# KiCad board nodular-base.kicad_pcb
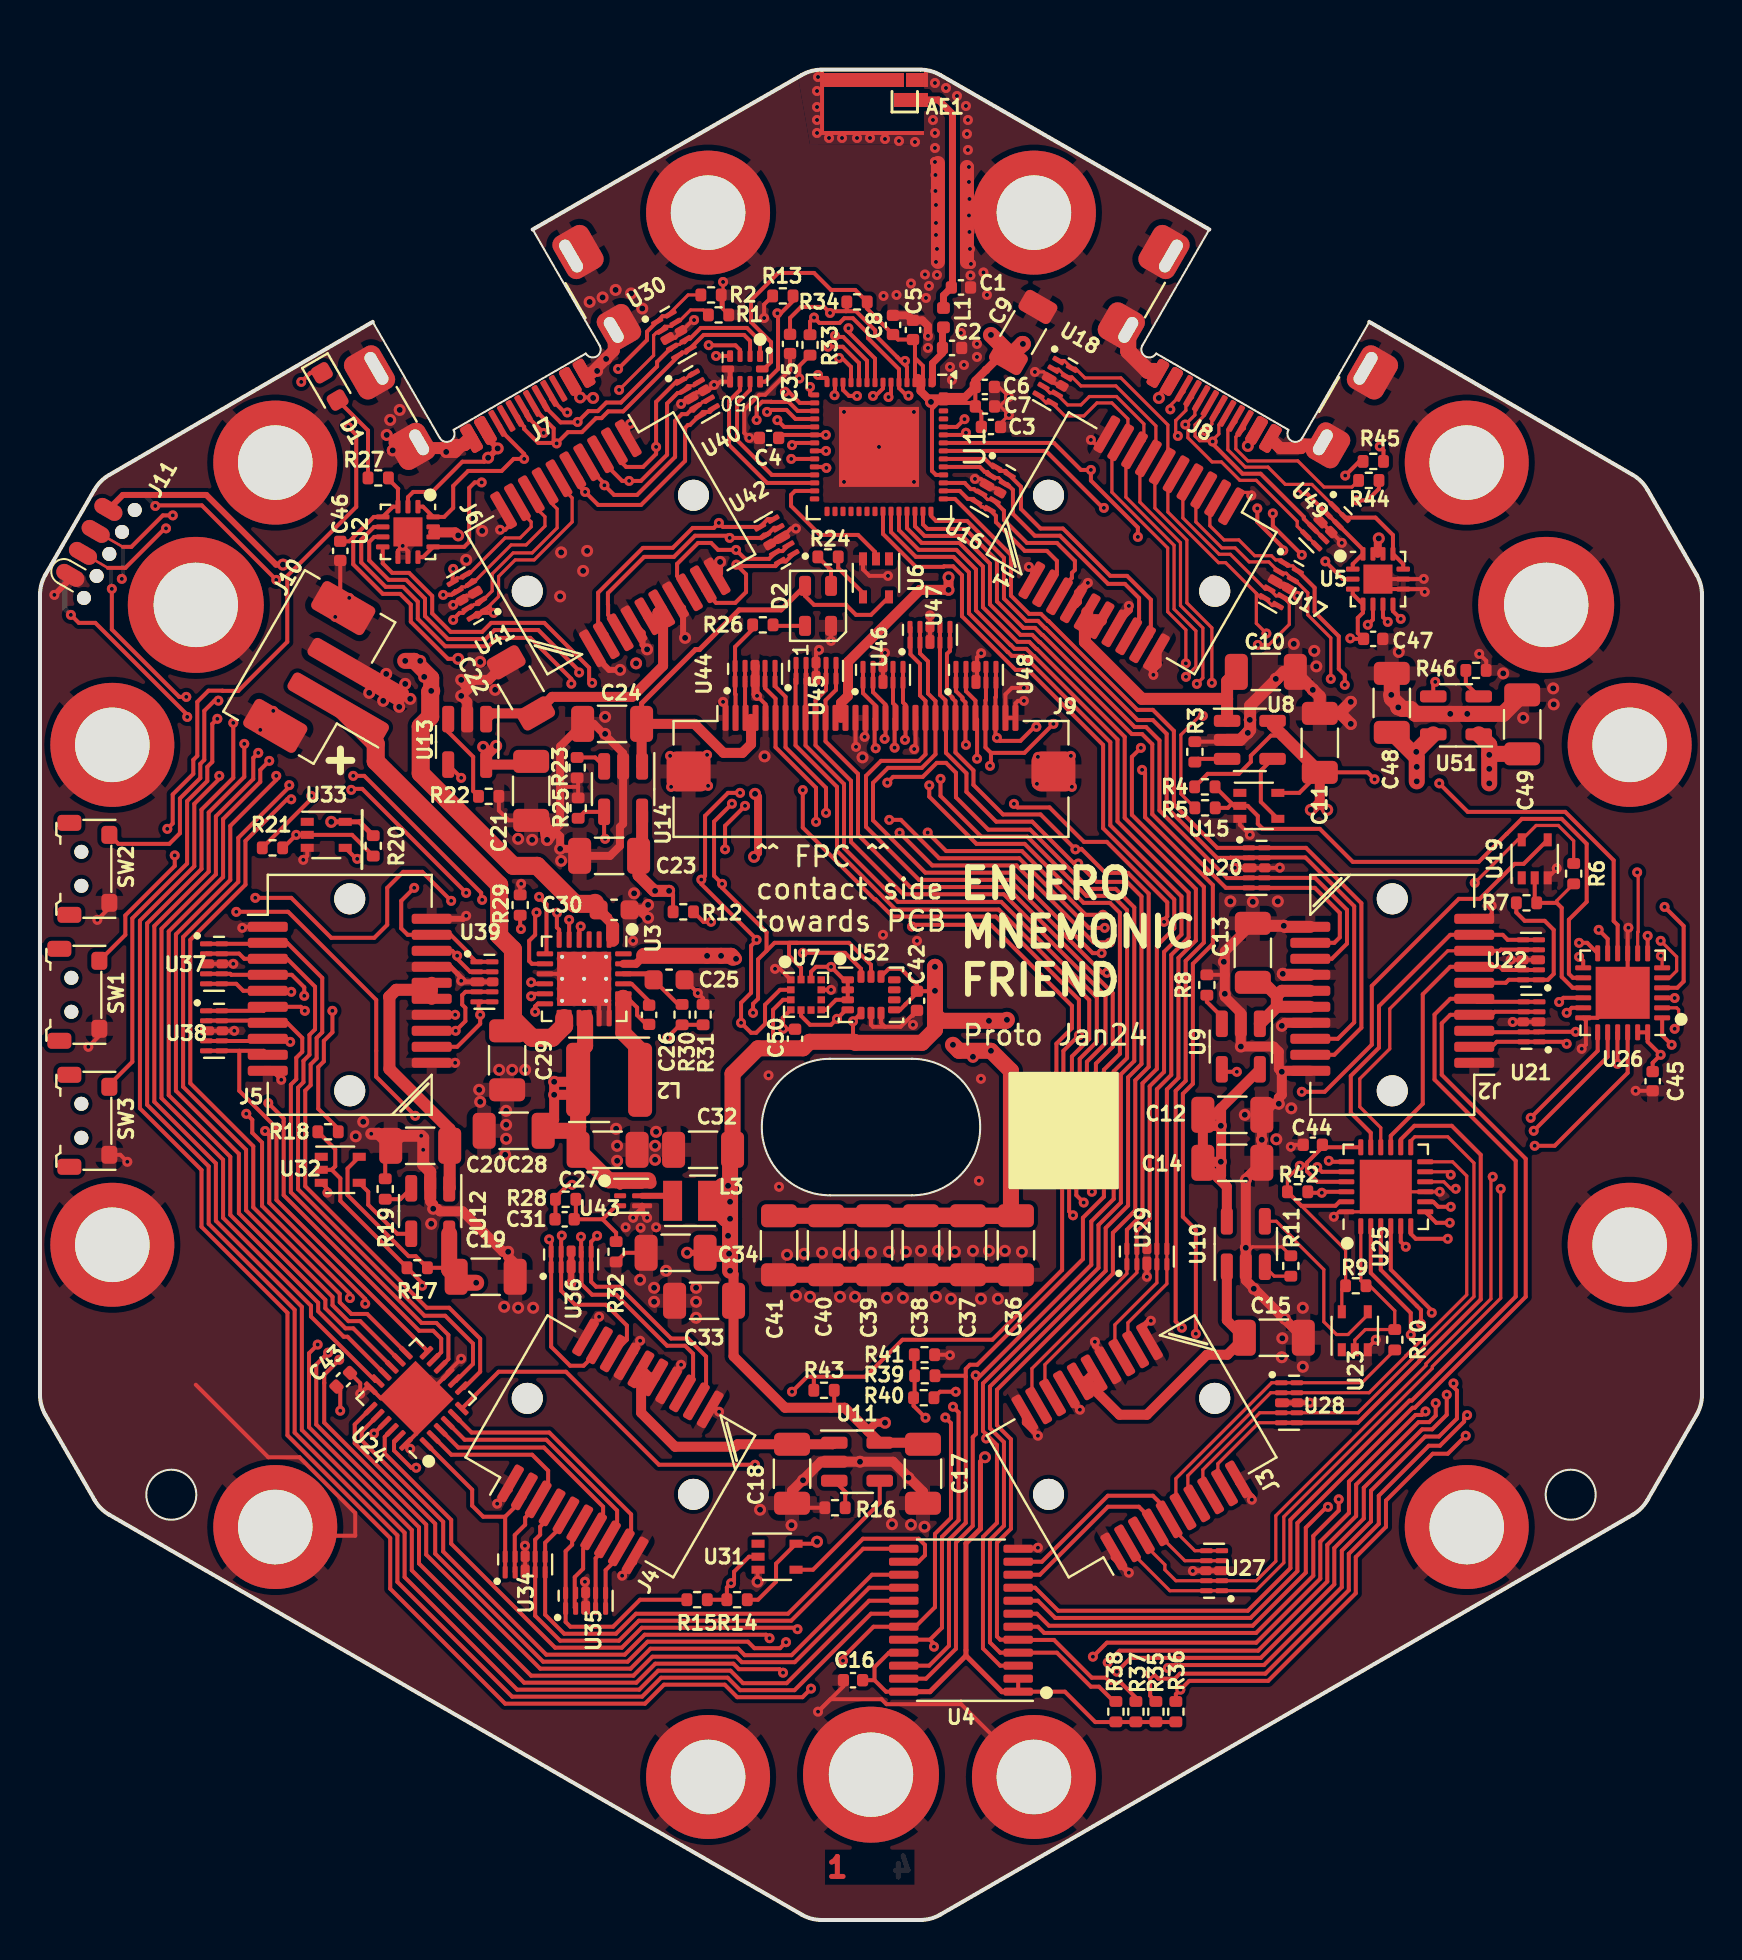
[diagram p0: board, top side]
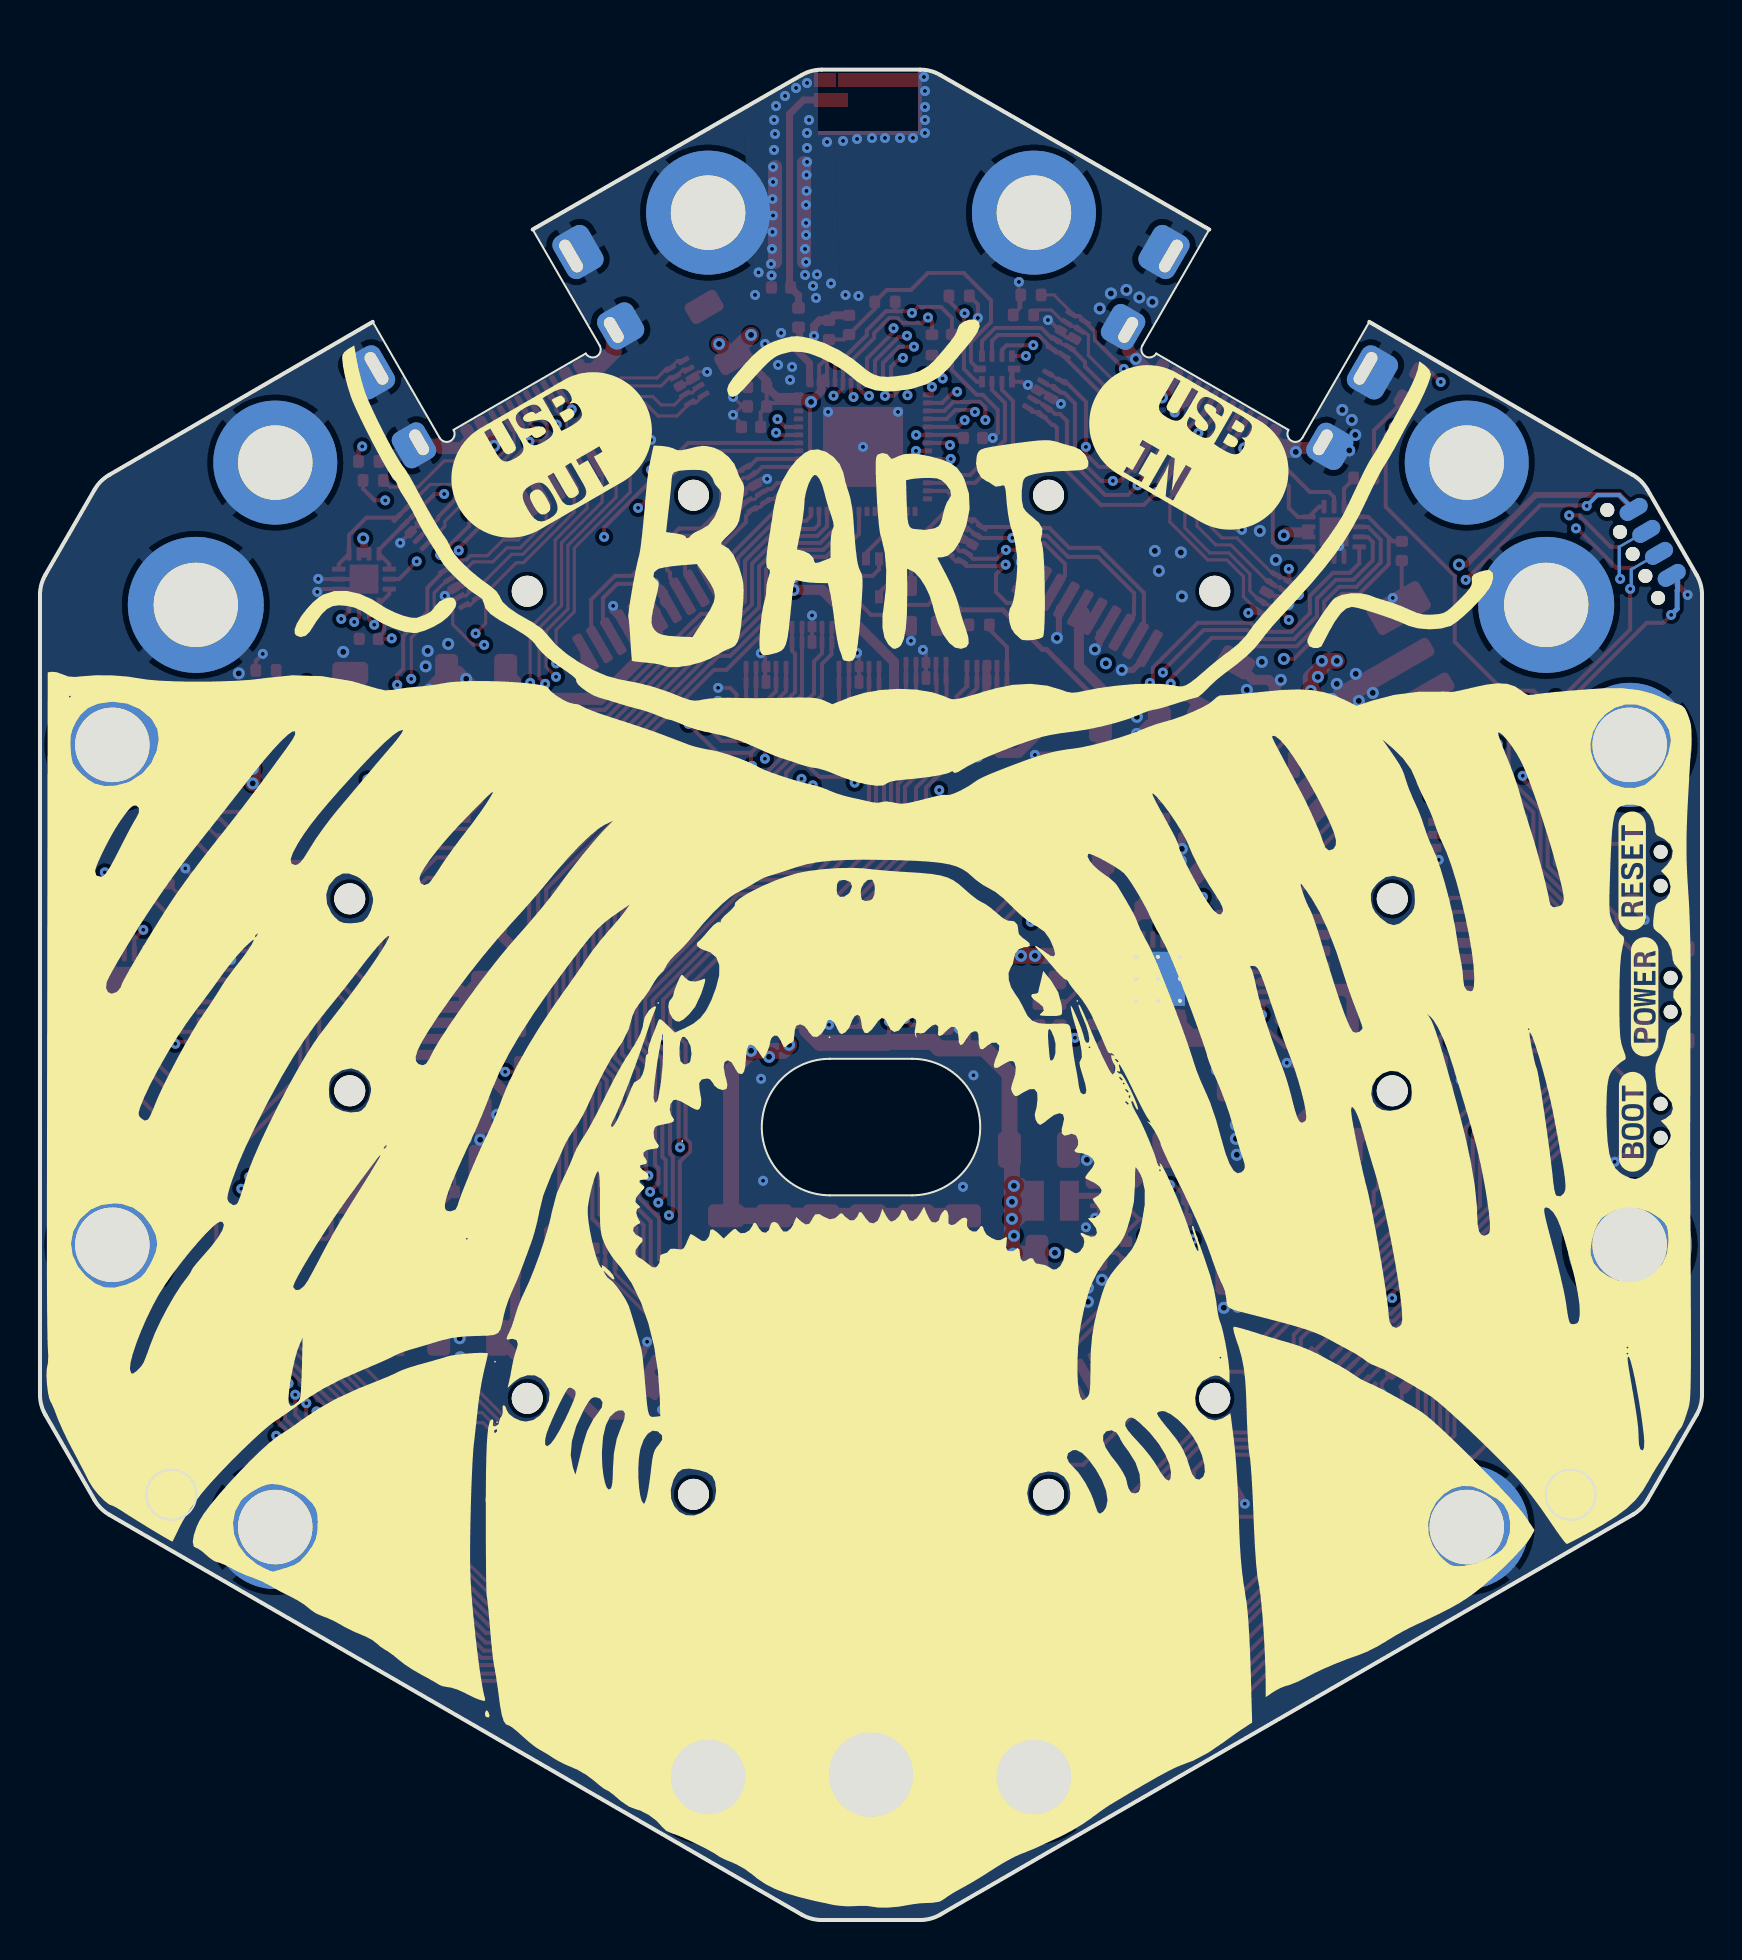
[diagram p1: board, bottom side, seen from below]

Outline 83.14 x 92.54 mm; copper layers: Top, In1.Cu, In2.Cu, Bottom. Coordinates in mm from the lower left corner of the outline.
Outline path: circle c6.57,21.27 r1.25 ; circle c76.57,21.27 r1.25 ; 16.64,79.92 3.46,72.27 arc(3.05,71.95) 2.73,71.54 0.27,67.27 arc(0.07,66.79) 0,66.27 0,26.27 arc(0.07,25.75) 0.27,25.27 2.73,21 arc(3.05,20.59) 3.46,20.27 38.11,0.27 arc(38.59,0.07) 39.11,0 44.03,0 arc(44.55,0.07) 45.03,0.27 79.67,20.27 arc(80.09,20.59) 80.41,21 82.87,25.27 arc(83.07,25.75) 83.14,26.27 83.14,66.27 arc(83.07,66.79) 82.87,67.27 80.41,71.54 arc(80.09,71.95) 79.67,72.27 66.5,79.92 ; 24.65,84.54 38.11,92.27 arc(38.59,92.47) 39.11,92.54 44.03,92.54 arc(44.55,92.47) 45.03,92.27 58.49,84.54 ; 39.52,43.07 43.62,43.07 arc(47.03,39.65) 43.62,36.24 39.52,36.24 arc(36.11,39.65) 39.52,43.07
Stack: Top 0.035mm / dielectric 0.1mm FR4 er 4.5 / In1.Cu 0.035mm / dielectric 1.24mm FR4 er 4.5 / In2.Cu 0.035mm / dielectric 0.1mm FR4 er 4.5 / Bottom 0.035mm

## Placement (name value [footprint] x y rotation side)
AE1  2450AT07A0100  [Johanson_2450AT07A0100_FLRight]  43.27 91.47 0 top
C1  C  [C_0402_1005Metric]  46.07 81.64 0 top
C2  C  [C_0402_1005Metric]  45.62 78.62 0 top
C3  100nF  [C_0402_1005Metric]  47.57 74.67 0 top
C4  100nF  [C_0402_1005Metric]  36.47 74.12 180 top
C5  100nF  [C_0402_1005Metric]  43.67 79.52 90 top
C6  100nF  [C_0402_1005Metric]  47.26 76.67 0 top
C7  100nF  [C_0402_1005Metric]  47.27 75.69 0 top
C8  100nF  [C_0402_1005Metric]  42.67 79.77 90 top
C9  22uF  [C_1206_3216Metric]  49.18 79.39 60 top
C10  10uF  [C_1206_3216Metric]  61.32 62.42 0 top
C11  10uF  [C_1206_3216Metric]  64.02 58.87 90 top
C12  10uF  [C_1206_3216Metric]  59.64 40.27 0 top
C13  10uF  [C_1206_3216Metric]  60.67 48.37 90 top
C14  10uF  [C_1206_3216Metric]  59.64 37.87 0 top
C15  10uF  [C_1206_3216Metric]  61.72 29.12 0 top
C16  100nF  [C_0402_1005Metric]  40.67 11.99 180 top
C17  10uF  [C_1206_3216Metric]  44.17 22.32 270 top
C18  10uF  [C_1206_3216Metric]  37.62 22.32 270 top
C19  10uF  [C_1206_3216Metric]  22.29 32.17 0 top
C20  10uF  [C_1206_3216Metric]  19.02 38.72 180 top
C21  10uF  [C_1206_3216Metric]  24.57 56.47 270 top
C22  10uF  [C_1206_3216Metric]  24.06 61.62 120 top
C23  10uF  [C_1206_3216Metric]  28.47 53.22 180 top
C24  10uF  [C_1206_3216Metric]  28.62 59.82 180 top
C25  4.7uF  [C_0603_1608Metric]  31.47 47.02 0 top
C26  47nF  [C_0402_1005Metric]  30.47 45.27 90 top
C27  10uF  [C_1206_3216Metric]  28.39 38.52 0 top
C28  10uF  [C_1206_3216Metric]  23.69 39.47 180 top
C29  10uF  [C_1206_3216Metric]  23.37 42.99 270 top
C30  1uF  [C_0603_1608Metric]  28.72 50.52 0 top
C31  120pF  [C_0402_1005Metric]  26.24 35.04 0 top
C32  10uF  [C_1206_3216Metric]  33.17 38.52 180 top
C33  10uF  [C_1206_3216Metric]  33.22 30.97 180 top
C34  10uF  [C_1206_3216Metric]  31.79 33.37 180 top
C35  100nF  [C_0402_1005Metric]  37.52 78.82 270 top
C36  10uF  [C_1206_3216Metric]  48.82 33.74 270 top
C37  10uF  [C_1206_3216Metric]  46.42 33.74 270 top
C38  10uF  [C_1206_3216Metric]  44.07 33.74 270 top
C39  10uF  [C_1206_3216Metric]  41.72 33.74 270 top
C40  10uF  [C_1206_3216Metric]  39.32 33.74 270 top
C41  10uF  [C_1206_3216Metric]  36.97 33.74 270 top
C42  100nF  [C_0402_1005Metric]  43.87 45.97 270 top
C43  100nF  [C_0402_1005Metric]  15.17 27.02 45 top
C44  100nF  [C_0402_1005Metric]  63.67 38.77 180 top
C45  100nF  [C_0402_1005Metric]  80.67 41.95 270 top
C46  100nF  [C_0402_1005Metric]  15.02 68.47 270 top
C47  100nF  [C_0402_1005Metric]  66.69 64.07 0 top
C48  10uF  [C_1206_3216Metric]  67.62 60.87 90 top
C49  10uF  [C_1206_3216Metric]  74.14 59.79 90 top
C50  100nF  [C_0402_1005Metric]  37.77 44.07 90 top
D1  LED  [LED_0603_1608Metric]  14.49 76.69 300 top
D2  SK6805MICRO-J  [LED_SK6805_PLCC4_2.4x2.7mm_P1.3mm]  38.92 65.72 90 top
H1  MountingHole_Pad  [SMTSO2030CTJ]  79.52 58.77 0 top
H2  MountingHole_Pad  [SMTSO2030CTJ]  79.52 33.77 0 top
H3  MountingHole_Pad  [SMTSO2030CTJ]  71.37 19.65 0 top
H4  MountingHole_Pad  [SMTSO2030CTJ]  49.72 7.15 0 top
H5  MountingHole_Pad  [SMTSO2030CTJ]  33.42 7.15 0 top
H6  MountingHole_Pad  [SMTSO2030CTJ]  11.77 19.65 0 top
H7  MountingHole_Pad  [SMTSO2030CTJ]  3.62 33.77 0 top
H8  MountingHole_Pad  [SMTSO2030CTJ]  3.62 58.77 0 top
H9  MountingHole_Pad  [SMTSO2030CTJ]  11.77 72.88 0 top
H10  MountingHole_Pad  [SMTSO2030CTJ]  33.42 85.38 0 top
H11  MountingHole_Pad  [SMTSO2030CTJ]  49.72 85.38 0 top
H12  MountingHole_Pad  [SMTSO2030CTJ]  71.37 72.88 0 top
H14  MountingHole_Pad  [SMTSO3030CTJ]  7.79 65.77 0 top
H16  MountingHole_Pad  [SMTSO3030CTJ]  41.57 7.27 0 top
H18  MountingHole_Pad  [SMTSO3030CTJ]  75.34 65.77 0 top
J1  Conn_02x10_Counter_Clockwise  [SFP]  54.61 68.85 240 top
J2  Conn_02x10_Counter_Clockwise  [SFP]  67.64 46.27 180 top
J3  Conn_02x10_Counter_Clockwise  [SFP]  54.61 23.69 120 top
J4  Conn_02x10_Counter_Clockwise  [SFP]  28.53 23.69 60 top
J5  Conn_02x10_Counter_Clockwise  [SFP]  15.49 46.27 0 top
J6  Conn_02x10_Counter_Clockwise  [SFP]  28.53 68.85 300 top
J7  USB_C_Receptacle_USB2.0  [USB_C_Receptacle_SHOUHAN_TYPE-C_16P_CB1.6_073#2]  22.27 79.42 210 top
J8  USB_C_Receptacle_USB2.0  [USB_C_Receptacle_SHOUHAN_TYPE-C_16P_CB1.6_073]  60.87 79.42 150 top
J9  Conn_01x30_MountingPin  [Jushuo_AFC01-S30FCC-00_1x30-1MP_P0.50mm_Horizontal]  41.57 57.04 0 top
J10  Conn_01x02_MountingPin  [JST_PH_B2B-PH-SM4-TB_1x02-1MP_P2.00mm_Vertical]  14.98 61.79 60 top
J11  Conn_01x08_Pin  [SOIC_clipProgSmall]  1.82 69.27 240 top
kibuzzard-657A1FC2  G***  [kibuzzard-657A1FC2]  57.54 73.27 150 bottom
kibuzzard-657A1FCE  G***  [kibuzzard-657A1FCE]  25.67 73.64 210 bottom
kibuzzard-657A201C  G***  [kibuzzard-657A201C]  3.49 52.47 90 bottom
kibuzzard-657A2038  G***  [kibuzzard-657A2038]  2.87 46.17 90 bottom
kibuzzard-657A2068  G***  [kibuzzard-657A2068]  3.47 39.92 90 bottom
L1  L  [L_0402_1005Metric]  45.19 80.13 270 top
L2  YHNR4020-2R2M  [L_Wurth_WE-LQSH-4020]  28.47 42.02 180 top
L3  FTC252010SR47MBCA  [L_Wurth_WE-LQSH-2512]  32.52 35.97 0 top
N1  Housing  [bartholomew]  41.68 41.48 180 bottom
R1  5k1  [R_0402_1005Metric]  33.94 80.27 0 top
R2  5k1  [R_0402_1005Metric]  33.57 81.27 0 top
R3  11k3  [R_0402_1005Metric]  57.77 58.42 90 top
R4  100k  [R_0402_1005Metric]  58.27 56.67 0 top
R5  10k  [R_0402_1005Metric]  58.28 55.62 180 top
R6  100k  [R_0402_1005Metric]  76.72 52.33 270 top
R7  10k  [R_0402_1005Metric]  74.36 50.87 180 top
R8  11k3  [R_0402_1005Metric]  58.37 46.76 90 top
R9  100k  [R_0402_1005Metric]  65.82 31.72 0 top
R10  10k  [R_0402_1005Metric]  67.77 29.02 270 top
R11  11k3  [R_0402_1005Metric]  62.57 32.71 90 top
R12  1k  [R_0402_1005Metric]  32.18 50.42 180 top
R13  10k  [R_0402_1005Metric]  37.16 81.22 0 top
R14  100k  [R_0402_1005Metric]  34.87 16.02 180 top
R15  10k  [R_0402_1005Metric]  32.87 16.02 180 top
R16  11k3  [R_0402_1005Metric]  39.77 20.62 180 top
R17  100k  [R_0402_1005Metric]  18.87 32.62 180 top
R18  10k  [R_0402_1005Metric]  14.41 39.42 0 top
R19  11k3  [R_0402_1005Metric]  17.27 36.56 90 top
R20  100k  [R_0402_1005Metric]  16.67 53.72 270 top
R21  10k  [R_0402_1005Metric]  11.63 53.62 180 top
R22  11k3  [R_0402_1005Metric]  22.44 56.19 0 top
R23  11k3  [R_0402_1005Metric]  26.87 57.63 270 top
R24  1k  [R_0402_1005Metric]  39.42 68.17 180 top
R25  11k3  [R_0402_1005Metric]  26.92 55.61 90 top
R26  1k  [R_0402_1005Metric]  36.16 64.77 180 top
R27  2k2  [R_0402_1005Metric]  16.92 72.12 0 top
R28  45k3  [R_0402_1005Metric]  26.29 36.04 180 top
R29  261R  [R_0402_1005Metric]  24.02 50.76 90 top
R30  10k  [R_0402_1005Metric]  32.12 45.28 90 top
R31  10k  [R_0402_1005Metric]  33.17 45.28 270 top
R32  10k  [R_0402_1005Metric]  28.82 33.42 90 top
R33  10k  [R_0402_1005Metric]  38.52 78.77 90 top
R34  10k  [R_0402_1005Metric]  40.87 80.92 180 top
R35  2k2  [R_0402_1005Metric]  55.82 10.42 90 top
R36  2k2  [R_0402_1005Metric]  56.82 10.42 90 top
R37  2k2  [R_0402_1005Metric]  54.82 10.42 90 top
R38  2k2  [R_0402_1005Metric]  53.82 10.42 90 top
R39  2k2  [R_0402_1005Metric]  44.26 27.22 0 top
R40  2k2  [R_0402_1005Metric]  44.21 26.12 0 top
R41  DNP  [R_0402_1005Metric]  44.24 28.27 180 top
R42  10k  [R_0402_1005Metric]  62.91 36.42 0 top
R43  10k  [R_0402_1005Metric]  39.22 26.49 180 top
R44  260R  [R_0402_1005Metric]  66.47 71.99 180 top
R45  260R  [R_0402_1005Metric]  66.69 72.94 180 top
R46  4.3k  [R_0402_1005Metric]  71.83 62.49 0 top
SW1  SW_Push  [sidebutton-1TS003B-1400-3500A-CT]  1.57 46.27 90 top
SW2  SW_Push  [sidebutton-1TS003B-1400-3500A-CT]  2.07 52.57 90 top
SW3  SW_Push  [sidebutton-1TS003B-1400-3500A-CT]  2.07 39.97 90 top
U1  ESP32-S3-PICO-1-N8R2  [LGA56-1EP_7x7mm_P0.4mm_EP4x4mm]  41.97 73.67 270 top
U2  FUSB302BMPX  [WQFN-14-1EP_2.5x2.5mm_P0.5mm_EP1.45x1.45mm]  18.41 69.42 270 top
U3  BQ25895RTW  [Texas_S-PWQFN-N24_EP2.7x2.7mm_ThermalVias]  27.22 47.07 270 top
U4  TCA9548APWR  [TSSOP-24_4.4x7.8mm_P0.65mm]  46.07 14.99 180 top
U5  FUSB302BMPX  [WQFN-14-1EP_2.5x2.5mm_P0.5mm_EP1.45x1.45mm]  66.93 67.06 0 top
U6  74LVC1G17  [SOT-353_SC-70-5]  41.82 67.12 270 top
U7  SC7A20  [LGA-12_2x2mm_P0.5mm]  38.32 46.27 0 top
U8  MT9700  [SOT-23-5]  60.52 59.02 0 top
U9  MT9700  [SOT-23-5]  60.07 43.68 270 top
U10  MT9700  [SOT-23-5]  60.32 33.81 90 top
U11  MT9700  [SOT-23-5]  40.87 22.92 0 top
U12  MT9700  [SOT-23-5]  19.52 35.46 270 top
U13  MT9700  [SOT-23-5]  21.37 58.92 270 top
U14  MT9700  [SOT-23-5]  29.17 56.56 270 top
U15  74LVC1G04  [SOT-353_SC-70-5]  60.97 55.72 0 top
U16  RCLAMP0524P-ES  [Diodes_UDFN-10_1.0x2.5mm_P0.5mm]  47.67 71.59 330 top
U17  RCLAMP0524P-ES  [Diodes_UDFN-10_1.0x2.5mm_P0.5mm]  62.08 66.8 330 top
U18  RCLAMP0524P-ES  [Diodes_UDFN-10_1.0x2.5mm_P0.5mm]  50.78 76.93 330 top
U19  74LVC1G04  [SOT-353_SC-70-5]  74.77 53.07 90 top
U20  RCLAMP0524P-ES  [Diodes_UDFN-10_1.0x2.5mm_P0.5mm]  60.86 52.62 0 top
U21  RCLAMP0524P-ES  [Diodes_UDFN-10_1.0x2.5mm_P0.5mm]  74.61 44.92 180 top
U22  RCLAMP0524P-ES  [Diodes_UDFN-10_1.0x2.5mm_P0.5mm]  74.58 48.02 180 top
U23  74LVC1G04  [SOT-353_SC-70-5]  65.77 29.47 90 top
U24  AW9523B  [QFN-24-1EP_4x4mm_P0.5mm_EP2.7x2.6mm]  18.82 26.09 135 top
U25  AW9523B  [QFN-24-1EP_4x4mm_P0.5mm_EP2.7x2.6mm#2]  67.32 36.67 90 top
U26  AW9523B  [QFN-24-1EP_4x4mm_P0.5mm_EP2.7x2.6mm#2]  79.17 46.37 180 top
U27  RCLAMP0524P-ES  [Diodes_UDFN-10_1.0x2.5mm_P0.5mm]  58.73 17.47 180 top
U28  RCLAMP0524P-ES  [Diodes_UDFN-10_1.0x2.5mm_P0.5mm]  62.48 25.87 0 top
U29  RCLAMP0524P-ES  [Diodes_UDFN-10_1.0x2.5mm_P0.5mm]  55.37 33.18 90 top
U30  RCLAMP0524P-ES  [Diodes_UDFN-10_1.0x2.5mm_P0.5mm]  31.71 79.27 30 top
U31  74LVC1G04  [SOT-353_SC-70-5]  36.87 18.17 0 top
U32  74LVC1G04  [SOT-353_SC-70-5]  15.02 37.52 0 top
U33  74LVC1G04  [SOT-353_SC-70-5]  14.32 54.27 0 top
U34  RCLAMP0524P-ES  [Diodes_UDFN-10_1.0x2.5mm_P0.5mm]  24.27 17.78 90 top
U35  RCLAMP0524P-ES  [Diodes_UDFN-10_1.0x2.5mm_P0.5mm]  27.29 15.97 90 top
U36  RCLAMP0524P-ES  [Diodes_UDFN-10_1.0x2.5mm_P0.5mm]  26.57 33.03 90 top
U37  RCLAMP0524P-ES  [Diodes_UDFN-10_1.0x2.5mm_P0.5mm]  8.71 47.82 0 top
U38  RCLAMP0524P-ES  [Diodes_UDFN-10_1.0x2.5mm_P0.5mm]  8.71 44.47 0 top
U39  RCLAMP0524P-ES  [Diodes_UDFN-10_1.0x2.5mm_P0.5mm]  22.23 46.92 0 top
U40  RCLAMP0524P-ES  [Diodes_UDFN-10_1.0x2.5mm_P0.5mm]  32.87 76.29 30 top
U41  RCLAMP0524P-ES  [Diodes_UDFN-10_1.0x2.5mm_P0.5mm]  21.48 66.22 210 top
U42  RCLAMP0524P-ES  [Diodes_UDFN-10_1.0x2.5mm_P0.5mm]  36.85 69 210 top
U43  TLV62595DMQR  [Texas_VSON-HR-6_1.5x1.5mm_P0.5mm]  29.67 36.22 0 top
U44  RCLAMP0524P-ES  [Diodes_UDFN-10_1.0x2.5mm_P0.5mm]  35.77 62.32 90 top
U45  RCLAMP0524P-ES  [Diodes_UDFN-10_1.0x2.5mm_P0.5mm]  38.82 62.47 90 top
U46  RCLAMP0524P-ES  [Diodes_UDFN-10_1.0x2.5mm_P0.5mm]  42.17 62.27 90 top
U47  RCLAMP0524P-ES  [Diodes_UDFN-10_1.0x2.5mm_P0.5mm]  44.52 64.27 90 top
U48  RCLAMP0524P-ES  [Diodes_UDFN-10_1.0x2.5mm_P0.5mm]  46.82 62.27 90 top
U49  RCLAMP0524P-ES  [Diodes_UDFN-10_1.0x2.5mm_P0.5mm]  64.3 69.7 315 top
U50  TS3USB221A  [Texas_PUQFN-10_RSE_1.5x2mm]  35.27 77.57 180 top
U51  MT9700  [SOT-23-5]  70.83 60.24 180 top
U52  LSM6DS3  [LGA-14_3x2.5mm_P0.5mm_LayoutBorder3x4y]  41.57 46.27 0 top

## Library data of the parts
AE1 = -: Description: Ceramic chip antenna with pin for PCB trace
C1-C50 = -: Description: Unpolarized capacitor
D1 = -: Description: Light emitting diode
D2 = -: Description: RGB LED with integrated controller
H1-H12 H14 H16 H18 = -: Description: Mounting Hole with connection
J1-J6 = -: Description: Generic connector, double row, 02x10, counter clockwise pin numbering scheme (similar to DIP package numbering), script generated (kicad-library-utils/schlib/autogen/connector/)
J7 J8 = -: Description: USB 2.0-only Type-C Receptacle connector
J9 = -: Description: Generic connectable mounting pin connector, single row, 01x30, script generated (kicad-library-utils/schlib/autogen/connector/)
J10 = -: Description: Generic connectable mounting pin connector, single row, 01x02, script generated (kicad-library-utils/schlib/autogen/connector/)
J11 = -: Description: Generic connector, single row, 01x08, script generated
L1-L3 = -: Description: Inductor
R1-R46 = -: Description: Resistor
SW1-SW3 = -: Description: Push button switch, generic, two pins
U1 = -: Description: RF Module, ESP32-S3 SoC, Wi-Fi 802.11b/g/n, BLE, external antenna, QFN-56
U2 U5 = -: Description: Programmable USB Type-C Controller w/PD, I2C address 0x22, WQFN-14
U3 = -: Description: Controlled Single Cell 5A Fast Charger with MaxCharge, WQFN-24
U4 = -: Description: Low voltage 8-channel I2C switch with reset, TSSOP-24
U6 = -: Description: Single Schmitt Buffer Gate, Low-Voltage CMOS
U7 = -: Description: 3-Axis Accelerometer, 2/4/8g range, 256 byte buffer, I2C/SPI interface, LGA-12
U8-U14 U51 = -: Description: Current Limited Load Switch, SOT-23-5
U15 U19 U23 U31-U33 = -: Description: Single NOT Gate, Low-Voltage CMOS
U43 = -: Description: High Efficiency Synchronous Buck Converter, Adjustable Output 0.6V-4V, 5A, Texas_DMQ_VSON-HR-6
U50 = -: Description: usb 2 multiplexer switch, RSE package, PUQFN-10
U52 = -: Description: I2C/SPI, iNEMO inertial module: always-on 3D accelerometer and 3D gyroscope

## Footprints (pads in the part's own frame, mm; a bottom-side part is the same pattern mirrored in y, then rotated)
C_0402_1005Metric
  rrect 0.56x0.62 smd: 1(-0.48,0) 2(0.48,0)
C_0603_1608Metric
  rrect 0.9x0.95 smd: 1(-0.775,0) 2(0.775,0)
C_1206_3216Metric
  rrect 1.15x1.8 smd: 1(-1.475,0) 2(1.475,0)
Diodes_UDFN-10_1.0x2.5mm_P0.5mm
  rrect 0.625x0.25 smd: 1(-0.388,1) 2(-0.388,0.5) 4(-0.388,-0.5) 5(-0.388,-1) 6(0.388,-1) 7(0.388,-0.5) 9(0.388,0.5) 10(0.388,1)
  rrect 0.7x0.45 smd: 3(-0.35,0)
  rrect 0.575x0.45 smd: 8(0.412,0)
Johanson_2450AT07A0100_FLRight
  rrect 0.24x0.3 smd: 1(-0.17,-0.25) 1(0.17,-0.25) 2(-0.17,0.35) 2(0.17,0.35)
  rect 1.5x0.7 smd: 1(0.2,-0.45)
  rect 0.2x0.7 smd: 1(1.05,-0.45)
  rect 0.2x3.2 smd: 2(-4.15,-0.6)
  rect 4x0.7 smd: 2(-2.05,0.55)
  rect 5x0.2 smd: 2(-1.55,-2.1)
  rect 0.9x0.7 smd: 2(0.5,0.55)
  rect 0.2x0.8 smd: 2(1.05,0.6)
JST_PH_B2B-PH-SM4-TB_1x02-1MP_P2.00mm_Vertical
  rrect 1x5.5 smd: 1(-1,-0.5) 2(1,-0.5)
  rrect 1.6x3 smd: MP(-3.4,1.75) MP(3.4,1.75)
Jushuo_AFC01-S30FCC-00_1x30-1MP_P0.50mm_Horizontal
  rrect 0.3x1.3 smd: 1(-7.275,3.08) 2(-6.775,3.08) 3(-6.275,3.08) 4(-5.775,3.08) 5(-5.275,3.08) 6(-4.775,3.08) 7(-4.275,3.08) 8(-3.775,3.08) 9(-3.275,3.08) 10(-2.775,3.08) 11(-2.275,3.08) 12(-1.775,3.08) 13(-1.275,3.08) 14(-0.775,3.08) 15(-0.275,3.08) 16(0.225,3.08) 17(0.725,3.08) 18(1.225,3.08) 19(1.725,3.08) 20(2.225,3.08) 21(2.725,3.08) 22(3.225,3.08) 23(3.725,3.08) 24(4.225,3.08) 25(4.725,3.08) 26(5.225,3.08) 27(5.725,3.08) 28(6.225,3.08) 29(6.725,3.08) 30(7.225,3.08)
  rrect 2.2x2 smd: MP(-9.125,0.4) MP(9.125,0.4)
L_0402_1005Metric
  rrect 0.59x0.64 smd: 1(-0.485,0) 2(0.485,0)
L_Wurth_WE-LQSH-2512
  rect 0.95x2 smd: 1(-0.875,0) 2(0.875,0)
L_Wurth_WE-LQSH-4020
  rrect 1.2x3.7 smd: 1(-1.55,0) 2(1.55,0)
LED_0603_1608Metric
  rrect 0.875x0.95 smd: 1(-0.787,0) 2(0.787,0)
LED_SK6805_PLCC4_2.4x2.7mm_P1.3mm
  rrect 1x0.6 smd: 1(-1,0.65) 2(-1,-0.65) 3(1,-0.65) 4(1,0.65)
LGA56-1EP_7x7mm_P0.4mm_EP4x4mm
  rrect 1.07x1.07 smd: (-1.33,1.33) (-1.33,0) (-1.33,-1.33) (0,1.33) (0,0) (0,-1.33) (1.33,1.33) (1.33,0) (1.33,-1.33)
  rrect 0.47x0.25 smd: 1(-3.225,2.6) 2(-3.225,2.2) 3(-3.225,1.8) 4(-3.225,1.4) 5(-3.225,1) 6(-3.225,0.6) 7(-3.225,0.2) 8(-3.225,-0.2) 9(-3.225,-0.6) 10(-3.225,-1) 11(-3.225,-1.4) 12(-3.225,-1.8) 13(-3.225,-2.2) 14(-3.225,-2.6) 29(3.225,-2.6) 30(3.225,-2.2) 31(3.225,-1.8) 32(3.225,-1.4) 33(3.225,-1) 34(3.225,-0.6) 35(3.225,-0.2) 36(3.225,0.2) 37(3.225,0.6) 38(3.225,1) 39(3.225,1.4) 40(3.225,1.8) 41(3.225,2.2) 42(3.225,2.6)
  rrect 0.25x0.47 smd: 15(-2.6,-3.225) 16(-2.2,-3.225) 17(-1.8,-3.225) 18(-1.4,-3.225) 19(-1,-3.225) 20(-0.6,-3.225) 21(-0.2,-3.225) 22(0.2,-3.225) 23(0.6,-3.225) 24(1,-3.225) 25(1.4,-3.225) 26(1.8,-3.225) 27(2.2,-3.225) 28(2.6,-3.225) 43(2.6,3.225) 44(2.2,3.225) 45(1.8,3.225) 46(1.4,3.225) 47(1,3.225) 48(0.6,3.225) 49(0.2,3.225) 50(-0.2,3.225) 51(-0.6,3.225) 52(-1,3.225) 53(-1.4,3.225) 54(-1.8,3.225) 55(-2.2,3.225) 56(-2.6,3.225)
  rect 4x4 smd: 57(0,0)
LGA-12_2x2mm_P0.5mm
  rect 0.375x0.35 smd: 1(-0.762,0.75) 2(-0.762,0.25) 3(-0.762,-0.25) 4(-0.762,-0.75) 7(0.762,-0.75) 8(0.762,-0.25) 9(0.762,0.25) 10(0.762,0.75)
  rect 0.35x0.375 smd: 5(-0.25,-0.762) 6(0.25,-0.762) 11(0.25,0.762) 12(-0.25,0.762)
LGA-14_3x2.5mm_P0.5mm_LayoutBorder3x4y
  rrect 0.625x0.35 smd: 1(-1.163,0.75) 2(-1.163,0.25) 3(-1.163,-0.25) 4(-1.163,-0.75) 8(1.163,-0.75) 9(1.163,-0.25) 10(1.163,0.25) 11(1.163,0.75)
  rrect 0.35x0.625 smd: 5(-0.5,-0.912) 6(0,-0.912) 7(0.5,-0.912) 12(0.5,0.912) 13(0,0.912) 14(-0.5,0.912)
QFN-24-1EP_4x4mm_P0.5mm_EP2.7x2.6mm
  rrect 1.09x1.05 smd: (-0.675,0.65) (-0.675,-0.65) (0.675,0.65) (0.675,-0.65)
  rrect 0.8x0.25 smd: 1(-1.975,1.25) 2(-1.975,0.75) 3(-1.975,0.25) 4(-1.975,-0.25) 5(-1.975,-0.75) 6(-1.975,-1.25) 13(1.975,-1.25) 14(1.975,-0.75) 15(1.975,-0.25) 16(1.975,0.25) 17(1.975,0.75) 18(1.975,1.25)
  rrect 0.25x0.8 smd: 7(-1.25,-1.975) 8(-0.75,-1.975) 9(-0.25,-1.975) 10(0.25,-1.975) 11(0.75,-1.975) 12(1.25,-1.975) 19(1.25,1.975) 20(0.75,1.975) 21(0.25,1.975) 22(-0.25,1.975) 23(-0.75,1.975) 24(-1.25,1.975)
  rect 2.7x2.6 smd: 25(0,0)
QFN-24-1EP_4x4mm_P0.5mm_EP2.7x2.6mm#2
  rrect 1.09x1.05 smd: (-0.675,0.65) (-0.675,-0.65) (0.675,0.65) (0.675,-0.65)
  rrect 0.8x0.25 smd: 1(-1.975,1.25) 2(-1.975,0.75) 3(-1.975,0.25) 4(-1.975,-0.25) 5(-1.975,-0.75) 6(-1.975,-1.25) 13(1.975,-1.25) 14(1.975,-0.75) 15(1.975,-0.25) 16(1.975,0.25) 17(1.975,0.75) 18(1.975,1.25)
  rrect 0.25x0.8 smd: 7(-1.25,-1.975) 8(-0.75,-1.975) 9(-0.25,-1.975) 10(0.25,-1.975) 11(0.75,-1.975) 12(1.25,-1.975) 19(1.25,1.975) 20(0.75,1.975) 21(0.25,1.975) 22(-0.25,1.975) 23(-0.75,1.975) 24(-1.25,1.975)
  rect 2.7x2.6 smd: 25(0,0)
R_0402_1005Metric
  rrect 0.54x0.64 smd: 1(-0.51,0) 2(0.51,0)
SFP
  round 2 hole 1.55 unplated: (0,4.8) (0,-4.8)
  rrect 2x0.5 smd: 1(-4.1,3.4) 2(-4.1,2.6) 3(-4.1,1.8) 4(-4.1,1) 5(-4.1,0.2) 6(-4.1,-0.6) 7(-4.1,-1.4) 8(-4.1,-2.2) 9(-4.1,-3) 10(-4.1,-3.8) 11(4.1,-3.4) 12(4.1,-2.6) 13(4.1,-1.8) 14(4.1,-1) 15(4.1,-0.2) 16(4.1,0.6) 17(4.1,1.4) 18(4.1,2.2) 19(4.1,3) 20(4.1,3.8)